# Altium PCB robot.PcbDoc (part 1 of 2)
Units mm, origin at the board's own origin, x right, y up, seen from the top; angles counter-clockwise.
Board outline 83.67 x 95.33 mm, 2 copper layers (Top Layer, Bottom Layer); 190 components, 199 nets, 607 pads, 102 vias.
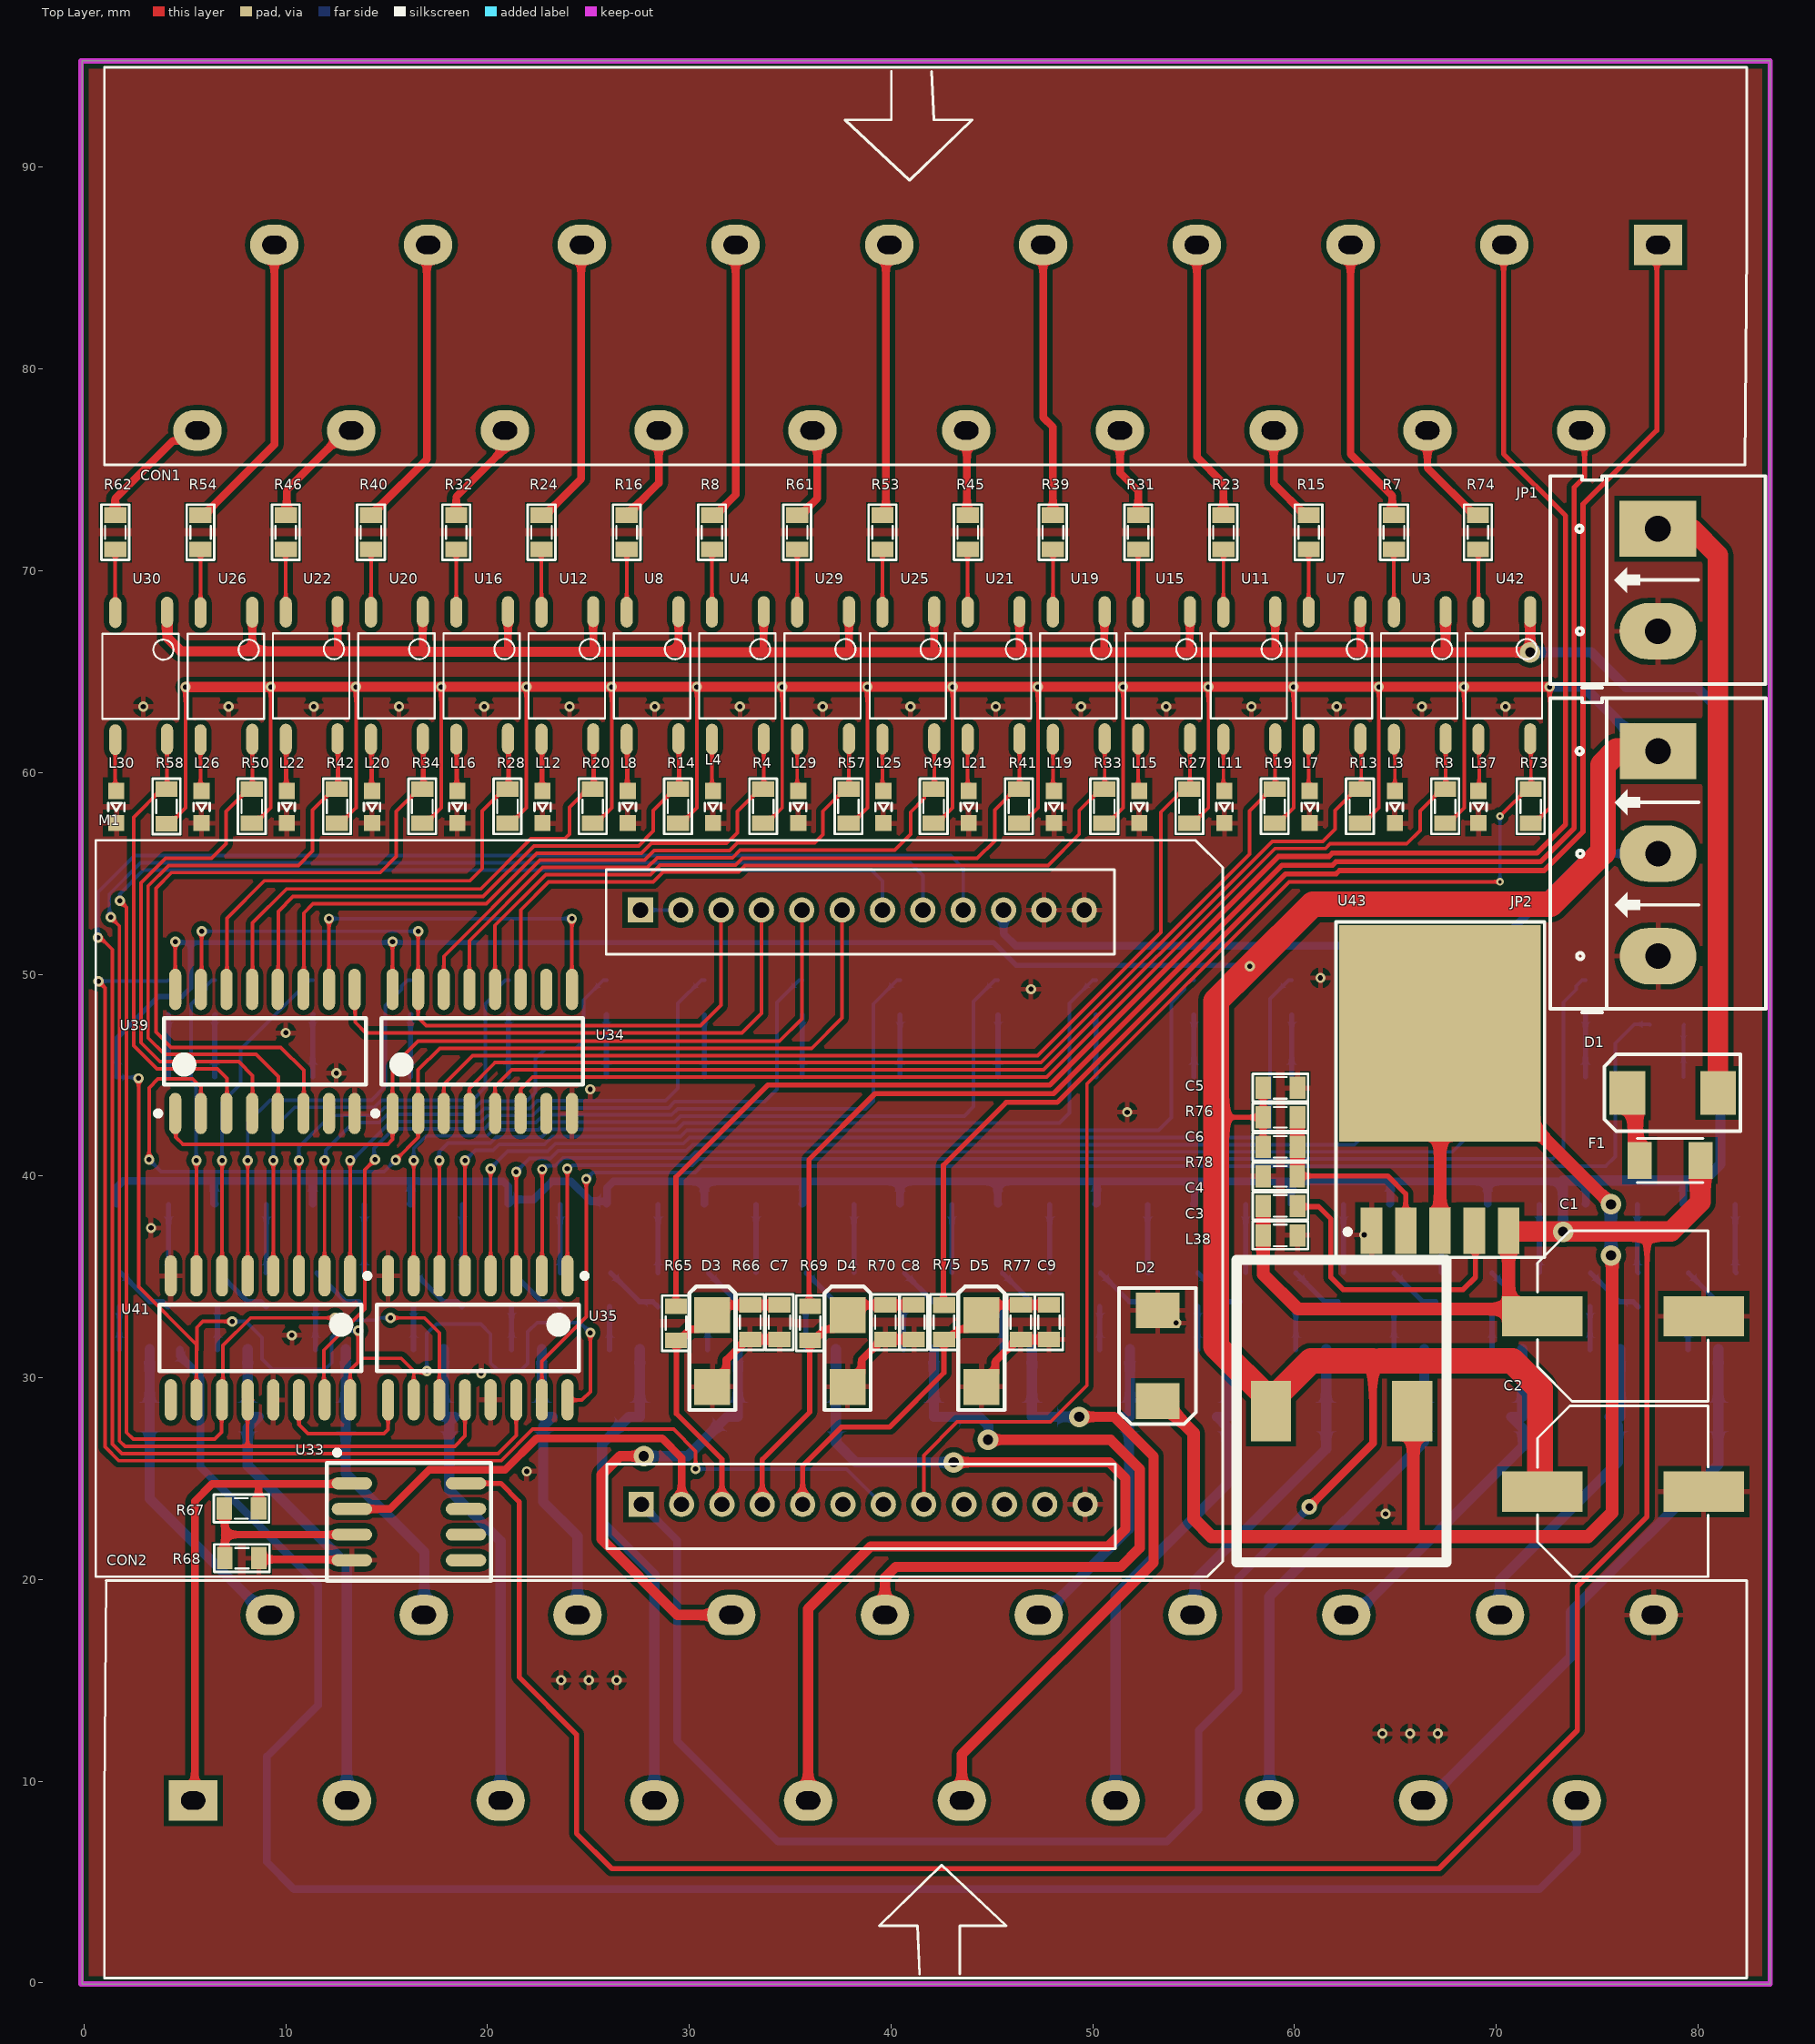
[diagram p0: Top Layer view]
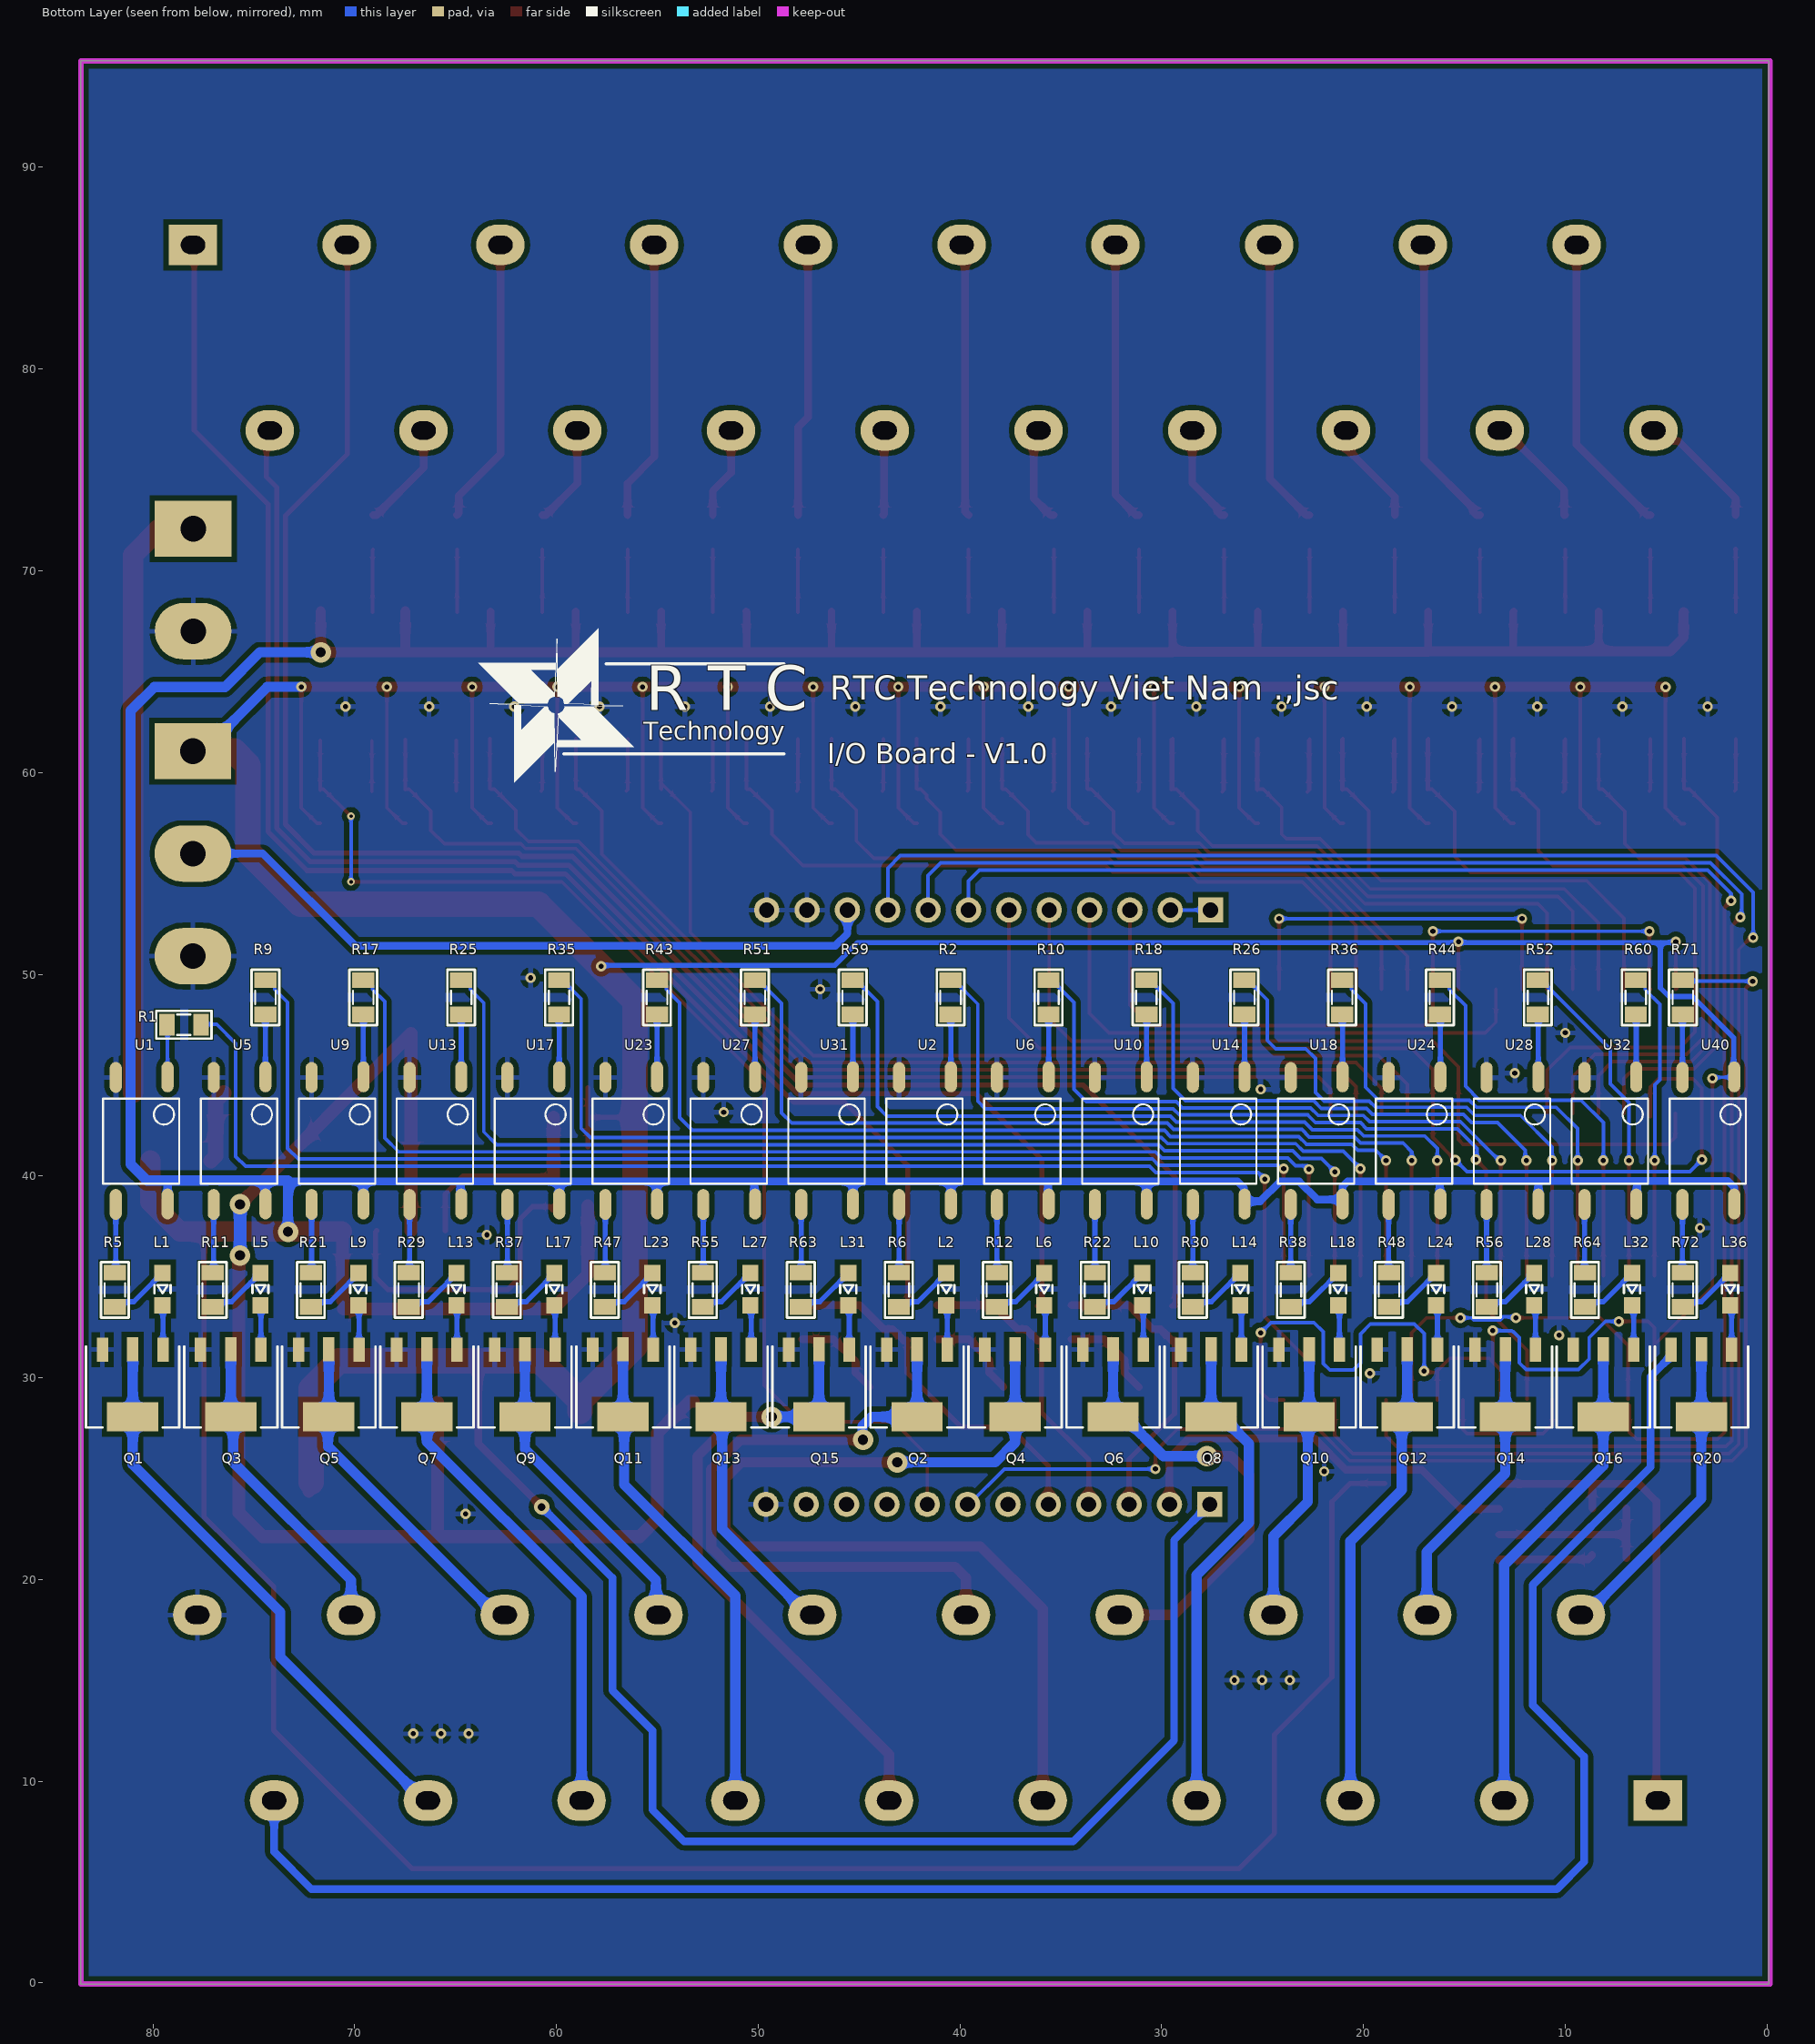
[diagram p1: Bottom Layer view, seen from below]

## Layer stack, top to bottom
Top Solder: solder mask 0.0102, Solder Resist, Dk 3.5
Top Layer: signal copper 0.0356
Dielectric 1: dielectric 0.32, FR-4, Dk 4.8
Bottom Layer: signal copper 0.0356
Bottom Solder: solder mask 0.0102, Solder Resist, Dk 3.5

## Board outline
-0.102,-0.051 -0.102,95.275 83.566,95.275 83.566,-0.051

## Design rules (kind name [scope] priority, off if disabled: settings)
Clearance [All] p1: gap=0.178 ignorepadtopadclearanceinfootprint=FALSE except(0: Arc-Hole Track-Hole SMDPad-Hole THPad-Hole Via-Hole Fill-Hole Poly-Hole Region-Hole Text-Hole; 0.254: Arc-Poly Track-Poly SMDPad-Poly THPad-Poly Via-Poly Fill-Poly Poly-Poly)
PolygonConnect [All] p1: connectstyle=Relief reliefconductorwidth=0.254 reliefentries=4 polygonreliefangle="90 Angle" airgapwidth=0.254
RoutingVias [All] p1: holewidth=0.178 width=0.381 viastyle="Through Hole" minholewidth=0.178 minwidth=0.381 maxholewidth=0.381 maxwidth=1.27
SolderMaskExpansion [All] p1: expansion=0.102 istentingtop=FALSE
Width [All] p1: maxlimit=1.27 minlimit=0.178 preferedwidth=0.254
30 further rules are at their usual default settings.

## Classes and differential pairs
component class Robot_board: C1 C2 C3 C4 C5 C6 C7 C8 C9 CON1 CON2 D1 D2 D3 D4 D5 F1 JP1 JP2 L36 L37 L38 M1 Q20 R65 R66 R67 R68 R69 R70 R71 R72 R73 R74 R75 R76 R77 R78 U33 U34 U35 U39 U40 U41 U42 U43
component class In_Out: L1 L2 L3 L4 L5 L6 L7 L8 L9 L10 L11 L12 L13 L14 L15 L16 L17 L18 L19 L20 L21 L22 L23 L24 L25 L26 L27 L28 L29 L30 L31 L32 Q1 Q2 Q3 Q4 Q5 Q6 Q7 Q8 Q9 Q10 Q11 Q12 Q13 Q14 Q15 Q16 R1 R2 R3 R4 R5 R6 R7 R8 R9 R10 R11 R12 R13 R14 R15 R16 R17 R18 R19 R20 R21 R22 R23 R24 R25 R26 R27 R28 R29 R30 R31 R32 R33 R34 R35 R36 R37 R38 R39 R40 R41 R42 R43 R44 R45 R46 R47 R48 R49 R50 R51 R52 R53 R54 R55 R56 R57 R58 R59 R60 R61 R62 R63 R64 U1 U2 U3 U4 U5 U6 U7 U8 U9 U10 U11 U12 U13 U14 U15 U16 U17 U18 U19 U20 U21 U22 U23 U24 U25 U26 U27 U28 U29 U30 U31 U32

## Components (designator, comment, footprint, x,y, rotation, side; value= is the part's Value field where it differs from the comment)
C1 "220u/50V" CAP_SMD_8X10 76.276,33.045 r0 top
C2 "330u/50V" CAP_SMD_8X10 76.276,24.359 r0 top
C3 "105" CAP_SMD0603 59.267,37.008 r0 top
C4 "105" CAP_SMD0603 59.267,38.471 r0 top
C5 "105" CAP_SMD0603 59.267,44.323 r0 top
C6 "330uF/16V" CAP_SMD0603 59.267,41.397 r0 top
C7 "Cap" CAP_SMD0603 34.519,32.726 r90 top
C8 "Cap" CAP_SMD0603 41.173,32.726 r90 top
C9 "Cap" CAP_SMD0603 47.879,32.726 r90 top
CON1 "Connector 10px2" DG24-2KDS 78.015,86.157 r270 top locked
CON2 "Connector 10px2" DG24-2KDS 5.41,9.042 r90 top locked
D1 "SS54" SMB 78.74,44.12 r180 top
D2 "SS54" SMB 53.213,31.09 r270 top
D3 "3.3V" DIODE_ZENER_SMD 31.14,31.324 r90 top
D4 "3.3V" DIODE_ZENER_SMD 37.846,31.324 r90 top
D5 "3.3V" DIODE_ZENER_SMD 44.475,31.324 r90 top
F1 "24V/5A" 1206 78.613,40.767 r0 top
JP1 "Power" KF-128_2P 78.003,72.085 r270 top
JP2 "Connector 3p" KF-128_3P 78.015,61.062 r270 top
L1 "LED" LED_GREEN_SMD_0603 79.527,34.392 r270 bottom locked
L2 "LED" LED_GREEN_SMD_0603 40.678,34.392 r270 bottom locked
L3 "LED" LED_RED_SMD_0603 64.973,58.293 r270 top
L4 "LED" LED_RED_SMD_0603 31.174,58.293 r270 top
L5 "LED" LED_GREEN_SMD_0603 74.671,34.392 r270 bottom locked
L6 "LED" LED_GREEN_SMD_0603 35.822,34.392 r270 bottom locked
L7 "LED" LED_RED_SMD_0603 60.748,58.293 r270 top
L8 "LED" LED_RED_SMD_0603 26.949,58.293 r270 top
L9 "LED" LED_GREEN_SMD_0603 69.815,34.392 r270 bottom locked
L10 "LED" LED_GREEN_SMD_0603 30.966,34.392 r270 bottom locked
L11 "LED" LED_RED_SMD_0603 56.523,58.293 r270 top
L12 "LED" LED_RED_SMD_0603 22.725,58.293 r270 top
L13 "LED" LED_GREEN_SMD_0603 64.959,34.392 r270 bottom locked
L14 "LED" LED_GREEN_SMD_0603 26.11,34.392 r270 bottom locked
L15 "LED" LED_RED_SMD_0603 52.299,58.293 r270 top
L16 "LED" LED_RED_SMD_0603 18.5,58.293 r270 top
L17 "LED" LED_GREEN_SMD_0603 60.103,34.392 r270 bottom locked
L18 "LED" LED_GREEN_SMD_0603 21.253,34.392 r270 bottom locked
L19 "LED" LED_RED_SMD_0603 48.074,58.293 r270 top
L20 "LED" LED_RED_SMD_0603 14.275,58.293 r270 top
L21 "LED" LED_RED_SMD_0603 43.849,58.293 r270 top
L22 "LED" LED_RED_SMD_0603 10.05,58.293 r270 top
L23 "LED" LED_GREEN_SMD_0603 55.247,34.392 r270 bottom locked
L24 "LED" LED_GREEN_SMD_0603 16.397,34.392 r270 bottom locked
L25 "LED" LED_RED_SMD_0603 39.624,58.293 r270 top
L26 "LED" LED_RED_SMD_0603 5.825,58.293 r270 top
L27 "LED" LED_GREEN_SMD_0603 50.39,34.392 r270 bottom locked
L28 "LED" LED_GREEN_SMD_0603 11.541,34.392 r270 bottom locked
L29 "LED" LED_RED_SMD_0603 35.399,58.293 r270 top
L30 "LED" LED_RED_SMD_0603 1.6,58.293 r270 top
L31 "LED" LED_GREEN_SMD_0603 45.534,34.392 r270 bottom locked
L32 "LED" LED_GREEN_SMD_0603 6.685,34.392 r270 bottom locked
L36 "LED" LED_GREEN_SMD_0603 1.829,34.392 r270 bottom locked
L37 "LED" LED_RED_SMD_0603 69.113,58.293 r270 top
L38 "47uH/6A" INDUCTOR_47UH_6A 62.332,28.346 r180 top
M1 "Robotboard-v1" ROBOTBOARD_V1 27.381,23.824 r0 top locked
Q1 "D882" SOT89 81.128,29.439 r0 bottom locked
Q2 "D882" SOT89 42.253,29.439 r0 bottom locked
Q3 "D882" SOT89 76.268,29.439 r0 bottom locked
Q4 "D882" SOT89 37.394,29.439 r0 bottom locked
Q5 "D882" SOT89 71.409,29.439 r0 bottom locked
Q6 "D882" SOT89 32.534,29.439 r0 bottom locked
Q7 "D882" SOT89 66.55,29.439 r0 bottom locked
Q8 "D882" SOT89 27.675,29.439 r0 bottom locked
Q9 "D882" SOT89 61.69,29.439 r0 bottom locked
Q10 "D882" SOT89 22.816,29.439 r0 bottom locked
Q11 "D882" SOT89 56.831,29.439 r0 bottom locked
Q12 "D882" SOT89 17.956,29.439 r0 bottom locked
Q13 "D882" SOT89 51.972,29.439 r0 bottom locked
Q14 "D882" SOT89 13.097,29.439 r0 bottom locked
Q15 "D882" SOT89 47.112,29.439 r0 bottom locked
Q16 "D882" SOT89 8.238,29.439 r0 bottom locked
Q20 "D882" SOT89 3.378,29.439 r0 bottom locked
R1 "1k" RES_SMD0603 78.486,47.447 r180 bottom
R2 "1k" RES_SMD0603 40.412,48.828 r90 bottom locked
R3 "2k2" RES_SMD0603 67.513,58.303 r90 top
R4 "2k2" RES_SMD0603 33.714,58.303 r90 top
R5 "4K7" RES_SMD0603 81.839,34.331 r90 bottom locked
R6 "4K7" RES_SMD0603 42.977,34.331 r90 bottom locked
R7 "4k7" RES_SMD0603 64.973,71.882 r90 top
R8 "4k7" RES_SMD0603 31.174,71.882 r90 top
R9 "1k" RES_SMD0603 74.371,48.828 r90 bottom locked
R10 "1k" RES_SMD0603 35.56,48.828 r90 bottom locked
R11 "4K7" RES_SMD0603 76.981,34.331 r90 bottom locked
R12 "4K7" RES_SMD0603 38.119,34.331 r90 bottom locked
R13 "2k2" RES_SMD0603 63.288,58.303 r90 top
R14 "2k2" RES_SMD0603 29.489,58.303 r90 top
R15 "4k7" RES_SMD0603 60.748,71.882 r90 top
R16 "4k7" RES_SMD0603 26.949,71.882 r90 top
R17 "1k" RES_SMD0603 69.52,48.828 r90 bottom locked
R18 "1k" RES_SMD0603 30.709,48.828 r90 bottom locked
R19 "2k2" RES_SMD0603 59.063,58.303 r90 top
R20 "2k2" RES_SMD0603 25.265,58.303 r90 top
R21 "4K7" RES_SMD0603 72.123,34.331 r90 bottom locked
R22 "4K7" RES_SMD0603 33.261,34.331 r90 bottom locked
R23 "4k7" RES_SMD0603 56.523,71.882 r90 top
R24 "4k7" RES_SMD0603 22.725,71.882 r90 top
R25 "1k" RES_SMD0603 64.669,48.828 r90 bottom locked
R26 "1k" RES_SMD0603 25.857,48.828 r90 bottom locked
R27 "2k2" RES_SMD0603 54.839,58.303 r90 top
R28 "2k2" RES_SMD0603 21.04,58.303 r90 top
R29 "4K7" RES_SMD0603 67.266,34.331 r90 bottom locked
R30 "4K7" RES_SMD0603 28.404,34.331 r90 bottom locked
R31 "4k7" RES_SMD0603 52.299,71.882 r90 top
R32 "4k7" RES_SMD0603 18.5,71.882 r90 top
R33 "2k2" RES_SMD0603 50.614,58.303 r90 top
R34 "2k2" RES_SMD0603 16.815,58.303 r90 top
R35 "1k" RES_SMD0603 59.817,48.828 r90 bottom locked
R36 "1k" RES_SMD0603 21.006,48.828 r90 bottom locked
R37 "4K7" RES_SMD0603 62.408,34.331 r90 bottom locked
R38 "4K7" RES_SMD0603 23.546,34.331 r90 bottom locked
R39 "4k7" RES_SMD0603 48.074,71.882 r90 top
R40 "4k7" RES_SMD0603 14.275,71.882 r90 top
R41 "2k2" RES_SMD0603 46.389,58.303 r90 top
R42 "2k2" RES_SMD0603 12.59,58.303 r90 top
R43 "1k" RES_SMD0603 54.966,48.828 r90 bottom locked
R44 "1k" RES_SMD0603 16.155,48.828 r90 bottom locked
R45 "4k7" RES_SMD0603 43.849,71.882 r90 top
R46 "4k7" RES_SMD0603 10.05,71.882 r90 top
R47 "4K7" RES_SMD0603 57.55,34.331 r90 bottom locked
R48 "4K7" RES_SMD0603 18.688,34.331 r90 bottom locked
R49 "2k2" RES_SMD0603 42.164,58.303 r90 top
R50 "2k2" RES_SMD0603 8.365,58.303 r90 top
R51 "1k" RES_SMD0603 50.114,48.828 r90 bottom locked
R52 "1k" RES_SMD0603 11.303,48.828 r90 bottom locked
R53 "4k7" RES_SMD0603 39.624,71.882 r90 top
R54 "4k7" RES_SMD0603 5.825,71.882 r90 top
R55 "4K7" RES_SMD0603 52.692,34.331 r90 bottom locked
R56 "4K7" RES_SMD0603 13.83,34.331 r90 bottom locked
R57 "2k2" RES_SMD0603 37.939,58.303 r90 top
R58 "2k2" RES_SMD0603 4.14,58.293 r90 top
R59 "1k" RES_SMD0603 45.263,48.828 r90 bottom locked
R60 "1k" RES_SMD0603 6.452,48.828 r90 bottom locked
R61 "4k7" RES_SMD0603 35.399,71.882 r90 top
R62 "4k7" RES_SMD0603 1.6,71.882 r90 top
R63 "4K7" RES_SMD0603 47.835,34.331 r90 bottom locked
R64 "4K7" RES_SMD0603 8.973,34.331 r90 bottom locked
R65 "0R" RES_SMD0603 29.286,32.726 r270 top
R66 "0R" RES_SMD0603 32.969,32.783 r270 top
R67 "0R" RES_SMD0603 7.772,23.47 r0 top
R68 "0R" RES_SMD0603 7.849,21.107 r180 top
R69 "0R" RES_SMD0603 35.941,32.726 r270 top
R70 "0R" RES_SMD0603 39.675,32.783 r270 top
R71 "1k" RES_SMD0603 4.115,48.828 r90 bottom locked
R72 "4K7" RES_SMD0603 4.115,34.331 r90 bottom locked
R73 "2k2" RES_SMD0603 71.755,58.303 r90 top
R74 "4k7" RES_SMD0603 69.139,71.882 r90 top
R75 "0R" RES_SMD0603 42.57,32.777 r270 top
R76 "10k" RES_SMD0603 59.267,42.86 r0 top
R77 "0R" RES_SMD0603 46.38,32.783 r270 top
R78 "3.3k" RES_SMD0603 59.318,40.035 r180 top
U1 "OPTO" SOP4 80.518,41.707 r270 bottom locked
U2 "OPTO" SOP4 41.694,41.707 r270 bottom locked
U3 "OPTO" SOP4 66.243,64.77 r270 top
U4 "OPTO" SOP4 32.444,64.77 r270 top
U5 "OPTO" SOP4 75.665,41.707 r270 bottom locked
U6 "OPTO" SOP4 36.841,41.707 r270 bottom locked
U7 "OPTO" SOP4 62.018,64.77 r270 top
U8 "OPTO" SOP4 28.219,64.77 r270 top
U9 "OPTO" SOP4 70.812,41.707 r270 bottom locked
U10 "OPTO" SOP4 31.988,41.707 r270 bottom locked
U11 "OPTO" SOP4 57.793,64.77 r270 top
U12 "OPTO" SOP4 23.995,64.77 r270 top
U13 "OPTO" SOP4 65.959,41.707 r270 bottom locked
U14 "OPTO" SOP4 27.135,41.707 r270 bottom locked
U15 "OPTO" SOP4 53.569,64.77 r270 top
U16 "OPTO" SOP4 19.77,64.77 r270 top
U17 "OPTO" SOP4 61.106,41.707 r270 bottom locked
U18 "OPTO" SOP4 22.282,41.707 r270 bottom locked
U19 "OPTO" SOP4 49.344,64.77 r270 top
U20 "OPTO" SOP4 15.545,64.77 r270 top
U21 "OPTO" SOP4 45.119,64.77 r270 top
U22 "OPTO" SOP4 11.32,64.77 r270 top
U23 "OPTO" SOP4 56.253,41.707 r270 bottom locked
U24 "OPTO" SOP4 17.429,41.707 r270 bottom locked
U25 "OPTO" SOP4 40.894,64.77 r270 top
U26 "OPTO" SOP4 7.095,64.745 r270 top
U27 "OPTO" SOP4 51.4,41.707 r270 bottom locked
U28 "OPTO" SOP4 12.576,41.707 r270 bottom locked
U29 "OPTO" SOP4 36.669,64.77 r270 top
U30 "OPTO" SOP4 2.87,64.745 r270 top
U31 "OPTO" SOP4 46.547,41.707 r270 bottom locked
U32 "OPTO" SOP4 7.723,41.707 r270 bottom locked
U33 "LM2904D" "SOIC 8" 16.104,22.86 r0 top
U34 "74HC165" SOIC16 19.736,46.177 r90 top locked
U35 "74HC595" SOIC16 19.516,31.979 r270 top locked
U39 "74HC165" SOIC16 8.966,46.177 r90 top locked
U40 "OPTO" SOP4 2.87,41.707 r270 bottom locked
U41 "74HC595" SOIC16 8.746,31.979 r270 top locked
U42 "OPTO" SOP4 70.434,64.77 r270 top
U43 "XL4015" TO-263-5 67.208,37.084 r0 top

## Footprints (in the part's own frame and the unit in brackets; to place one, negate y for a bottom-side part, rotate by r counter-clockwise, add the part's x,y. Pads: shape width x height; smd on the part's side, far side on the other; paste and mask are expansions set on the pad)
1206 [mm]
  rect 1.2x1.82 smd: 1(-1.505,0) 2(1.505,0)
  silkscreen extent -1.63,-1.09 1.63,1.09, body extent -1.7,-0.9 1.7,0.9, height 1.17
CAP_SMD0603 [mm]
  rect 0.771x1.1 smd: 1(-0.822,0.051) 2(0.879,0.051)
  silkscreen extent -1.35,-0.64 1.4,0.74, body extent -0.85,-0.43 0.9,0.52, height 0.88
CAP_SMD_8X10 [mm]
  rect 4x2 smd: 1(-4,0) 2(4,0)
  silkscreen extent -4.24,-4.22 4.22,4.24, body extent -4.5,-4.15 4.5,4.15, height 6.91
DG24-2KDS [mm]
  rect 2x2.4 hole 1.2 slot 0.9 at 0 deg: 1(0,0)
  oval 2x2.4 hole 1.2 slot 0.9 at 0 deg: 2(9.2,-3.81) 3(0,-7.62) 4(9.2,-11.43) 5(0,-15.24) 6(9.2,-19.05) 7(0,-22.86) 8(9.2,-26.67) 9(0,-30.48) 10(9.2,-34.29) 11(0,-38.1) 12(9.2,-41.91) 13(0,-45.72) 14(9.2,-49.53) 15(0,-53.34) 16(9.2,-57.15) 17(0,-60.96) 18(9.2,-64.77) 19(0,-68.58) 20(9.2,-72.39)
  silkscreen extent -8.8,-77 10.9,4.4, body extent -8.7,-76.82 10.8,4.42, height 22.35
DIODE_ZENER_SMD [mil]
  rect 70x70 smd: 1(-70,0) 2(70,0)
  silkscreen extent -115,-45 126,45, body extent -69,-29 69,29, height 57
INDUCTOR_47UH_6A [mm]
  rect 2x3 smd: 1(-3.5,0) 2(3.5,0)
  silkscreen extent -5.2,-7.5 5.2,7.5
KF-128_2P [mm] "Header 2, 2 pin, hight 300mil, Pin to Pin 200, Colour Green"
  rect 2.794x3.8 hole 1.27: 1(0,0)
  oval 2.794x3.8 hole 1.27: 2(5.08,0)
  silkscreen extent -2.62,-5.33 7.87,5.33, body extent -2.56,-5.25 8.2,5.28, height 14.3
KF-128_3P [mm] "Header 2, 2 pin, hight 300mil, Pin to Pin 200, Colour Green"
  rect 2.794x3.8 hole 1.27: 1(0,0)
  oval 2.794x3.8 hole 1.27: 2(5.08,0) 3(10.16,0)
  silkscreen extent -2.62,-5.33 12.95,5.33, body extent -2.56,-5.25 13.28,5.28, height 14.3
LED_GREEN_SMD_0603 [mm]
  rect 0.8x0.8 smd: 1(-0.8,0) 2(0.8,0)
  silkscreen extent -0.2,-0.4 0.2,0.4, body extent -0.85,-0.45 0.85,0.45, height 0.88
LED_RED_SMD_0603 [mm]
  rect 0.8x0.8 smd: 1(-0.8,0) 2(0.8,0)
  silkscreen extent -0.2,-0.4 0.2,0.4, body extent -0.85,-0.45 0.85,0.45, height 0.88
RES_SMD0603 [mm]
  rect 0.771x1.1 smd: 1(-0.822,0.051) 2(0.879,0.051)
  silkscreen extent -1.35,-0.64 1.4,0.74, body extent -0.8,-0.37 0.84,0.48, height 0.46
ROBOTBOARD_V1 [mm]
  rect 1.25x1.25 hole 0.762: 1(0.236,-0.1) 13(0.194,29.364)
  round 1.25 hole 0.762: 2(2.236,-0.1) 3(4.236,-0.1) 4(6.236,-0.1) 5(8.236,-0.1) 6(10.236,-0.1) 7(12.236,-0.1) 8(14.236,-0.1) 9(16.236,-0.1) 10(18.236,-0.1) 11(20.236,-0.1) 12(22.236,-0.1) 14(2.194,29.364) 15(4.194,29.364) 16(6.194,29.364) 17(8.194,29.364) 18(10.194,29.364) 19(12.194,29.364) 20(14.194,29.364) 21(16.194,29.364) 22(18.194,29.364) 23(20.194,29.364) 24(22.194,29.364)
  silkscreen extent -26.8,-3.68 29.06,32.82, body extent -26.58,-3.7 29.18,32.81, height 19
SMB [mil]
  rect 70x85 smd: 1(-88.58,0) 2(88.58,0)
  silkscreen extent -132,-75 134,75, body extent -108,-77 108,77, height 96
SOIC16 [mm]
  oval 2.05x0.6 smd: 1(-3.075,4.445) 2(-3.075,3.175) 3(-3.075,1.905) 4(-3.075,0.635) 5(-3.075,-0.635) 6(-3.075,-1.905) 7(-3.075,-3.175) 8(-3.075,-4.445) 9(3.075,-4.445) 10(3.075,-3.175) 11(3.075,-1.905) 12(3.075,-0.635) 13(3.075,0.635) 14(3.075,1.905) 15(3.075,3.175) 16(3.075,4.445)
  silkscreen extent -3.2,-5 1.65,5.42, body extent -3,-5 3,5, height 1.75
"SOIC 8" [mm] "SOIC, 8-Leads, Body 4.90x3.90mm, Pitch 1.27mm, IPC Medium Density"
  oval 2x0.6 smd: 1(-2.827,1.905) 2(-2.827,0.635) 3(-2.827,-0.635) 4(-2.827,-1.905) 5(2.827,-1.905) 6(2.827,-0.635) 7(2.827,0.635) 8(2.827,1.905)
  silkscreen extent -4.06,-2.92 4.06,3.55, body extent -3,-2.45 3,2.45, height 1.7
SOP4 [mm] "SOIC, 8-Leads, Body 4.90x3.90mm, Pitch 1.27mm, IPC Medium Density"
  oval 1.53x0.6 smd: 1(-3.208,1.245) 2(-3.183,-1.321) 3(3.117,-1.321) 4(3.091,1.245)
  silkscreen extent -2.13,-1.96 2.08,1.83, body extent -3.53,-1.97 3.48,1.88, height 2.21
SOT89 [mil]
  rect 22.46x47.24 smd: 1(-64,-77) 2(-5,-78) 3(54,-77)
  rect 100x57.24 smd: 2(-5,54.21)
  silkscreen extent -96,-83 86,75, body extent -94,-83 84,72, height 56
TO-263-5 [mm]
  rect 1.07x2.293 smd: 1(-3.4,0.203) 2(-1.7,0.203) 3(0,0.203) 4(1.7,0.203) 5(3.4,0.203)
  rect 10x10.73 smd: 3(0,9.982)
  silkscreen extent -5.16,-1.12 5.18,15.52, body extent -5,-0.38 5,15.29, height 4.79

## Part data
C1 C2: library part Cap_Pol
C3 C4 C5 C6: library part Cap
D1 D2: library part DIODE
D3 D4 D5: library part DIODE_ZENER, "Diode"
F1: library part Fuse
JP1: library part "Connector 2p"
L1 L2 L3 L4 L5 L6 L7 L8 L9 L10 L11 L12 L13 L14 L15 L16 L17 L18 L19 L20 L21 L22 L23 L24 L25 L26 L27 L28 L29 L30 L31 L32 L36 L37: "Lighting Eminter Diode"
L38: library part Inductors
Q1 Q2 Q3 Q4 Q5 Q6 Q7 Q8 Q9 Q10 Q11 Q12 Q13 Q14 Q15 Q16 Q20: library part "Tranzitor NPN"
R1 R2 R3 R4 R5 R6 R7 R8 R9 R10 R11 R12 R13 R14 R15 R16 R17 R18 R19 R20 R21 R22 R23 R24 R25 R26 R27 R28 R29 R30 R31 R32 R33 R34 R35 R36 R37 R38 R39 R40 R41 R42 R43 R44 R45 R46 R47 R48 R49 R50 R51 R52 R53 R54 R55 R56 R57 R58 R59 R60 R61 R62 R63 R64 R65 R66 R67 R68 R69 R70 R71 R72 R73 R74 R75 R76 R77 R78: library part Resistor

## Via types
v1: diameter 0.508, hole 0.254, Top Layer to Bottom Layer, tented both sides, 91 vias
v2: diameter 1.016, hole 0.508, Top Layer to Bottom Layer, tented both sides, 8 vias
v3: diameter 0.381, hole 0.178, Top Layer to Bottom Layer, tented both sides, 2 vias
v4: diameter 0.762, hole 0.381, Top Layer to Bottom Layer, tented both sides, 1 vias

## Nets (pads, with @x,y where several pads share a name; then routed paths per layer and width w, separated by ;. In a path a pad name is that pad's centre, name@x,y a point inside that pad or via, vN(x,y) a via of type N, cw(c..) or ccw(c..) an arc to the next point about the centre after c; other vN are vias at no path point)
+3.3VDC: M1.13 M1.14 | length 2
  Bottom Layer w0.178: M1.13@27.576,53.188 M1.14@29.576,53.188
+5VDC: C2.1 C5.1 C6.1 JP2.1 L38.2 M1.1 R3.1 R4.1 R13.1 R14.1 R19.1 R20.1 R27.1 R28.1 R33.1 R34.1 R41.1 R42.1 R49.1 R50.1 R57.1 R58.1 R73.1 R76.1 U34.16 U35.10 U35.16 U39.16 U40.1 U41.10 U41.16 | length 465
  Top Layer w0.178: v1(2.705,44.844) 2.705,34.506 5.571,31.64 5.571,31.369 ; R58.1@4.09,57.471 4.254,57.471 5.029,58.246 v1(5.029,64.237) ; U39.16@4.47,49.303 U39.16@4.521,49.252 v1(4.521,51.613) ; U41.10@5.571,28.953 5.571,31.369 ; v1(7.341,32.791) 5.893,32.791 5.588,32.487 5.588,31.386 5.571,31.369 ; R50.1@8.314,57.48 8.479,57.48 9.254,58.256 v1(9.254,64.246) ; R42.1@12.539,57.48 12.704,57.48 13.479,58.256 v1(13.479,64.246) ; U41.16@13.191,28.904 13.191,30.387 13.602,30.797 ; v1(13.589,32.334) 13.589,30.81 13.602,30.797 ; U34.16@15.291,49.252 v1(15.291,51.613) ; U35.10@16.341,28.904 16.341,30.184 ; R34.1@16.764,57.48 16.928,57.48 17.704,58.256 v1(17.704,64.246) ; v1(16.993,30.328) 16.929,30.264 16.421,30.264 16.341,30.184 ; R28.1@20.989,57.48 21.153,57.48 21.929,58.256 v1(21.929,64.246) ; U35.16@23.961,28.904 23.961,28.896 24.68,28.896 25.095,29.312 v1(25.095,32.233) ; R20.1@25.214,57.48 25.378,57.48 26.154,58.256 v1(26.154,64.246) ; R14.1@29.439,57.48 29.603,57.48 30.378,58.256 v1(30.378,64.246) ; R4.1@33.664,57.48 33.828,57.48 34.603,58.256 v1(34.603,64.246) ; R57.1@37.889,57.48 38.053,57.48 38.828,58.256 v1(38.828,64.246) ; R49.1@42.113,57.48 42.278,57.48 43.053,58.256 v1(43.053,64.246) ; R41.1@46.338,57.48 46.503,57.48 47.278,58.256 v1(47.278,64.246) ; R33.1@50.563,57.48 50.727,57.48 51.503,58.256 v1(51.503,64.246) ; R27.1@54.788,57.48 54.952,57.48 55.728,58.256 v1(55.728,64.246) ; R19.1@59.013,57.48 59.177,57.48 59.952,58.256 v1(59.952,64.246) ; R13.1@63.238,57.48 63.402,57.48 64.177,58.256 v1(64.177,64.246) ; R3.1@67.463,57.48 67.627,57.48 68.402,58.256 v1(68.402,64.246) ; R73.1@71.704,57.48 71.869,57.48 72.644,58.256 v1(72.644,64.246) ; 13.602,30.797 13.767,30.963 15.723,30.963 16.341,30.344 16.341,30.184
  Top Layer w0.254: 56.109,42.911 R76.1@58.445,42.911 ; C6.1@58.445,41.448 R76.1@58.445,42.911 ; C5.1@58.445,44.374 R76.1@58.445,42.911
  Top Layer w0.381: v4(60.731,23.597) 63.881,26.746 63.881,30.836
  Top Layer w0.508: v1(5.029,64.237) 9.244,64.237 v1(9.254,64.246) v1(13.479,64.246) v1(17.704,64.246) v1(21.929,64.246) v1(26.154,64.246) v1(30.378,64.246) v1(34.603,64.246) v1(38.828,64.246) v1(43.053,64.246) v1(47.278,64.246) v1(51.503,64.246) v1(55.728,64.246) v1(59.952,64.246) v1(64.177,64.246) v1(68.402,64.246) v1(72.644,64.246)
  Top Layer w0.635: C2.1@72.161,24.473 C2.1@72.276,24.359
  Top Layer w1.27: L38.2@58.832,28.346 L38.2@58.832,28.846 ; 63.881,30.836 60.821,30.836 L38.2@58.832,28.846 ; 64.237,30.836 70.79,30.836 72.161,29.464 C2.1@72.161,24.829 ; JP2.1@78.015,61.062 75.971,61.062 75.286,60.376 75.286,56.058 72.695,53.467 60.896,53.467 57.804,50.375 56.109,48.679 56.109,42.911 56.109,31.569 L38.2@58.832,28.846
  Bottom Layer w0.178: U40.1@1.626,44.915 1.646,44.895 v1@2.705,44.895 ; v1(4.521,51.613) v1@4.559,51.575 ; v1(7.341,32.791) 8.001,32.791 8.814,31.979 8.814,30.927 9.337,30.404 11.935,30.404 12.268,30.737 12.268,31.981 12.574,32.287 12.602,32.287 12.649,32.334 v1(13.589,32.334) ; v1@15.253,51.575 v1(15.291,51.613) v1@15.329,51.575 ; v1(16.993,30.328) 16.993,32.182 17.475,32.664 19.66,32.664 20.151,32.173 20.151,30.725 20.498,30.378 21.666,30.378 21.996,30.709 21.996,32.283 22.454,32.741 24.587,32.741 v1(25.095,32.233)
  Bottom Layer w0.254: U40.1@1.626,44.915 1.651,44.94 1.651,46.858 3.688,48.895 4.851,48.895 5.283,49.327 5.283,51.575 ; v1@4.559,51.575 5.283,51.575 ; v1@15.253,51.575 5.283,51.575 ; v1@15.329,51.575 45.072,51.575 46.203,50.444 v1@57.785,50.444
  Bottom Layer w0.381: M1.1@27.617,23.724 29.388,21.953 29.388,12.014 34.392,7.01 53.67,7.01 55.245,8.585 55.245,12.522 57.226,14.503 57.226,20.091 v4(60.731,23.597)
  Bottom Layer w0.508: v1(72.644,64.246) 74.328,64.246 77.512,61.062 JP2.1@78.015,61.062
  other v1: 57.785,50.394
+24-1VDC: D1.1 JP1.1 | length 30.2
  Top Layer w1.016: JP1.1@78.003,72.085 79.68,72.085 80.99,70.775 D1.1@80.99,44.12
+24VDC: C1.1 C3.1 C4.1 F1.2 U1.4 U2.4 U3.1 U4.1 U5.4 U6.4 U7.1 U8.1 U9.4 U10.4 U11.1 U12.1 U13.4 U14.4 U15.1 U16.1 U17.4 U18.4 U19.1 U20.1 U21.1 U22.1 U23.4 U24.4 U25.1 U26.1 U27.4 U28.4 U29.1 U30.1 U31.4 U32.4 U33.8 U40.4 U42.1 U43.5 | length 368.4
  Top Layer w0.254: U33.8@18.931,24.765 20.65,24.765 21.565,23.851 21.565,15.164 24.409,12.319 24.409,7.417 26.162,5.664 67.158,5.664 74.016,12.522 74.016,19.66 77.47,23.114 77.47,37.262
  Top Layer w0.381: 8.34,66.015 U26.1@8.34,67.953 U26.1@8.34,67.978 ; U22.1@12.565,67.978 12.573,67.97 12.573,66.04 ; 16.789,66.015 U20.1@16.789,67.978 ; 21.014,65.989 U16.1@21.014,67.978 ; 25.061,65.989 25.239,66.167 U12.1@25.239,67.978 ; 29.464,65.989 U8.1@29.464,67.978 ; 33.689,66.142 U4.1@33.689,67.978 ; 37.914,65.964 U29.1@37.914,67.978 ; 42.139,65.964 U25.1@42.139,67.978 ; 46.363,65.964 U21.1@46.363,67.978 ; 50.571,65.989 50.571,67.961 U19.1@50.588,67.978 ; 54.813,65.964 U15.1@54.813,67.978 ; 59.038,66.015 U11.1@59.038,67.978 ; 63.263,65.989 U7.1@63.263,67.978
  Top Layer w0.508: U30.1@4.115,67.953 4.132,67.935 4.132,66.683 4.801,66.015 8.34,66.015 12.548,66.015 ; 12.573,66.04 12.548,66.015 ; 50.571,65.989 50.546,65.964 ; 59.038,66.015 58.987,65.964 ; 63.263,65.989 63.238,65.964 ; U3.1@67.488,67.978 67.488,65.989 67.462,65.964 ; v2@71.679,65.938 v2(71.679,65.964) ; U42.1@71.679,67.978 v2(71.679,65.964) ; 12.548,66.015 16.789,66.015 16.815,65.989 21.014,65.989 25.061,65.989 29.464,65.989 29.489,65.964 37.914,65.964 42.139,65.964 46.363,65.964 50.546,65.964 ; 50.546,65.964 54.813,65.964 58.987,65.964 ; 58.987,65.964 63.238,65.964 ; 63.238,65.964 67.462,65.964 ; 67.462,65.964 v2(71.679,65.964)
  Top Layer w0.635: C4.1@58.445,38.521 C3.1@58.445,37.058 58.445,35.128 60.172,33.401 68.736,33.401 ; 68.749,33.401 C1.1@70.561,33.401 ; C1.1@70.608,33.833 U43.5@70.608,37.287 U43.5@70.634,37.262
  Top Layer w1.016: U43.5@70.634,37.262 77.47,37.262 78.664,37.262 80.118,38.716 F1.2@80.118,40.767
  Bottom Layer w0.381: U40.4@1.626,38.616 1.626,39.446 1.93,39.751 6.426,39.751 ; U32.4@6.479,38.616 6.437,38.658 6.437,39.741 6.426,39.751 ; U28.4@11.332,38.616 11.332,39.653 11.43,39.751 ; U24.4@16.185,38.616 16.226,38.658 16.226,39.747 16.231,39.751 ; U10.4@30.744,38.616 30.744,39.724 ; U6.4@35.597,38.616 35.638,38.658 35.638,39.624 35.738,39.724 ; U2.4@40.45,38.616 40.45,39.724 ; U31.4@45.302,38.616 45.288,38.63 45.288,39.724 ; U27.4@50.155,38.616 50.197,38.658 50.197,39.705 50.216,39.724 ; U23.4@55.008,38.616 55.042,38.649 55.042,39.724 ; U17.4@59.861,38.616 59.842,38.635 59.842,39.724 ; U13.4@64.714,38.616 64.756,38.658 64.756,39.71 64.77,39.724 ; U9.4@69.567,38.616 69.567,39.724 ; 73.304,39.724 69.567,39.724 ; U5.4@74.42,38.616 74.447,38.643 74.447,39.776 ; 78.996,39.724 79.273,39.724 U1.4@79.273,38.616 ; 6.426,39.751 11.43,39.751 ; 11.43,39.751 16.231,39.751 ; 16.231,39.751 16.567,39.751 16.58,39.738 20.776,39.738 21.038,39.477 U18.4@21.038,38.616 21.259,38.837 22.292,38.837 23.179,39.724 24.141,39.724 25.12,38.744 25.891,38.744 U14.4@25.891,38.616 25.932,38.658 25.932,39.423 26.233,39.724 30.744,39.724 ; 30.744,39.724 35.738,39.724 ; 35.738,39.724 40.45,39.724 ; 40.45,39.724 45.288,39.724 ; 45.288,39.724 50.216,39.724 ; 50.216,39.724 55.042,39.724 ; 55.042,39.724 59.842,39.724 ; 59.842,39.724 64.77,39.724 ; 64.77,39.724 69.567,39.724
  Bottom Layer w0.508: v2(71.679,65.964) 74.701,65.964 76.429,64.237 79.934,64.237 81.102,63.068 81.102,40.589 80.289,39.776 77.3,39.776 77.289,39.787 76.683,39.787 76.672,39.776 74.447,39.776 73.304,39.776 73.304,39.724 v2(73.304,37.236)
GND: C1.2 C2.2 C3.2 C5.2 C7.1 C8.1 C9.1 CON2.20 D2.1 D3.1 D4.1 D5.1 JP1.2 JP2.3 L3.2 L4.2 L7.2 L8.2 L11.2 L12.2 L15.2 L16.2 L19.2 L20.2 L21.2 L22.2 L25.2 L26.2 L29.2 L30.2 L37.2 M1.12 M1.23 M1.24 Q1.3 Q2.3 Q3.3 Q4.3 Q5.3 Q6.3 Q7.3 Q8.3 Q9.3 Q10.3 Q11.3 Q12.3 Q13.3 Q14.3 Q15.3 Q16.3 R66.2 R68.1 R70.2 R77.2 R78.2 U1.2 U2.2 U5.2 U6.2 U9.2 U10.2 U13.2 U14.2 U17.2 U18.2 U23.2 U24.2 U27.2 U28.2 U31.2 U32.2 U33.4 U34.8 U35.8 U35.13 U39.8 U41.8 U41.13 U43.1 | length 18.7
  Top Layer w0.381: R68.1@8.671,21.235 8.671,21.192 8.866,20.997 13.235,20.997 U33.4@13.277,20.955 ; D3.1@31.14,29.546 31.839,30.245 31.839,30.887 32.856,31.904 R66.2@33.02,31.904 C7.1@34.468,31.904 ; D4.1@37.846,29.546 38.544,30.245 38.544,30.887 39.561,31.904 R70.2@39.725,31.904 C8.1@41.123,31.904 ; D5.1@44.475,29.546 45.174,30.245 45.174,30.811 46.267,31.904 R77.2@46.431,31.904 C9.1@47.828,31.904
  other v1: 64.351,12.357 65.725,12.357 67.098,12.357 23.645,15.011 25.019,15.011 26.393,15.011 64.508,23.254 21.946,25.362 19.685,30.222 10.304,32.106 54.127,32.715 63.449,37.084 3.319,37.427 51.706,43.167 25.093,44.297 12.503,45.098 9.999,47.098 46.931,49.263 61.282,49.822 2.938,63.271 7.163,63.271 11.388,63.271 15.613,63.271 19.837,63.271 24.062,63.271 24.062,63.271 28.287,63.271 32.512,63.271 36.61,63.271 40.962,63.271 45.187,63.271 49.411,63.271 53.636,63.271 57.861,63.271 62.086,63.271 66.311,63.271 70.451,63.271
NetC4_2: C4.2 U43.4 | length 15.1
  Top Layer w0.254: C4.2@60.146,38.521 60.187,38.481 60.187,38.317 60.351,38.481 61.189,38.481 61.798,37.871 61.798,34.976 62.408,34.366 68.351,34.366 68.961,34.976 68.961,37.235 U43.4@68.908,37.287
NetC6_2: C6.2 R76.2 R78.1 U43.2 | length 10.7
  Top Layer w0.254: R78.1@60.14,39.985 60.14,39.821 60.324,40.005 64.618,40.005 65.508,39.114 U43.2@65.508,37.287
  Top Layer w0.635: R78.1@60.14,39.985 60.143,39.988 60.143,42.907 R76.2@60.146,42.911
NetC7_2: C7.2 D3.2 M1.3 R65.2 R66.1 | length 15.2
  Top Layer w0.254: R65.2@29.337,31.846 29.362,31.821 29.527,31.821 29.362,31.657 29.362,28.219 31.617,25.964 M1.3@31.617,23.724
  Top Layer w0.381: R65.2@29.337,31.846 29.501,31.846 30.058,32.404 30.442,32.404 D3.2@31.14,33.102 31.644,33.605 R66.1@33.02,33.605 C7.2@34.468,33.605
NetC8_2: C8.2 D4.2 M1.4 R69.2 R70.1 | length 15.4
  Top Layer w0.254: M1.4@33.617,23.724 33.617,25.947 35.966,28.296 35.966,31.588 35.662,31.588 35.895,31.821 35.966,31.821 R69.2@35.992,31.846
  Top Layer w0.381: R69.2@35.992,31.846 36.156,31.846 36.713,32.404 37.148,32.404 D4.2@37.846,33.102 38.349,33.605 R70.1@39.725,33.605 C8.2@41.123,33.605
NetC9_2: C9.2 D5.2 M1.5 R75.2 R77.1 | length 18.4
  Top Layer w0.254: M1.5@35.617,23.724 35.617,25.635 37.541,27.559 39.935,27.559 42.621,30.245 R75.2@42.621,31.846
  Top Layer w0.381: R75.2@42.621,31.846 42.785,31.846 43.343,32.404 43.777,32.404 D5.2@44.475,33.102 44.979,33.605 R77.1@46.431,33.605 C9.2@47.828,33.605
NetCON1_1: CON1.1 R75.1 | length 76.3
  Top Layer w0.254: R75.1@42.621,33.548 R75.1@42.785,33.548 ; R75.1@42.703,33.63 42.596,33.738 42.596,40.538 45.707,43.65 48.232,43.65 59.56,54.978 62.06,54.978 62.225,55.143 72.367,55.143 74.295,57.072 74.295,73.304 77.953,76.962 77.953,86.094 CON1.1@78.015,86.157
NetCON1_2: CON1.2 R69.1 | length 72.1
  Top Layer w0.254: R69.1@35.992,33.548 R69.1@36.156,33.548 ; R69.1@36.074,33.63 35.941,33.763 35.941,40.818 39.205,44.082 48.053,44.082 59.382,55.41 61.881,55.41 62.046,55.575 72.188,55.575 73.863,57.251 73.863,74.143 74.371,74.651 74.371,76.791 CON1.2@74.205,76.957
NetCON1_3: CON1.3 R65.1 | length 88
  Top Layer w0.254: R65.1@29.337,33.548 29.501,33.548 29.337,33.712 29.337,39.954 33.896,44.514 47.874,44.514 59.203,55.842 61.702,55.842 61.867,56.007 72.009,56.007 73.431,57.429 73.431,72.72 70.358,75.794 70.358,86.12 CON1.3@70.395,86.157
NetCON1_4: CON1.4 R74.2 | length 5.3
  Top Layer w0.381: CON1.4@66.585,76.957 66.585,75.1 68.924,72.761 R74.2@69.088,72.761
NetCON1_5: CON1.5 R7.2 | length 14.3
  Top Layer w0.381: CON1.5@62.775,86.157 62.775,75.782 64.838,73.719 64.838,72.846 R7.2@64.923,72.761
NetCON1_6: CON1.6 R15.2 | length 5
  Top Layer w0.381: CON1.6@58.965,76.957 58.965,74.33 60.533,72.761 R15.2@60.698,72.761
NetCON1_7: CON1.7 R23.2 | length 13.9
  Top Layer w0.381: CON1.7@55.155,86.157 55.155,75.655 56.473,74.337 R23.2@56.473,72.761
NetCON1_8: CON1.8 R31.2 | length 4.6
  Top Layer w0.381: CON1.8@51.345,76.957 51.345,74.867 52.248,73.965 R31.2@52.248,72.761
NetCON1_9: CON1.9 R39.2 | length 13.6
  Top Layer w0.381: CON1.9@47.535,86.157 47.535,77.612 48.023,77.124 R39.2@48.023,72.761
NetCON1_10: CON1.10 R45.2 | length 4.2
  Top Layer w0.381: CON1.10@43.725,76.957 43.762,76.92 43.762,72.798 R45.2@43.798,72.761
NetCON1_11: CON1.11 R53.2 | length 13.5
  Top Layer w0.381: R53.2@39.573,72.761 39.744,72.932 39.744,85.986 CON1.11@39.915,86.157
NetCON1_12: CON1.12 R61.2 | length 4.8
  Top Layer w0.381: R61.2@35.349,72.761 35.513,72.761 36.347,73.596 36.347,76.715 CON1.12@36.105,76.957
NetCON1_13: CON1.13 R8.2 | length 14
  Top Layer w0.381: R8.2@31.124,72.761 31.288,72.761 32.295,73.769 CON1.13@32.295,86.157
NetCON1_14: CON1.14 R16.2 | length 4.9
  Top Layer w0.381: R16.2@26.899,72.761 27.063,72.761 27.258,72.957 27.258,73.121 28.485,74.348 CON1.14@28.485,76.957
NetCON1_15: CON1.15 R24.2 | length 14.3
  Top Layer w0.381: R24.2@22.674,72.761 22.838,72.761 24.638,74.561 24.638,86.12 CON1.15@24.675,86.157
NetCON1_16: CON1.16 R32.2 | length 5.2
  Top Layer w0.381: R32.2@18.449,72.761 18.449,73.669 20.865,76.085 CON1.16@20.865,76.957
NetCON1_17: CON1.17 R40.2 | length 14.7
  Top Layer w0.381: R40.2@14.224,72.761 14.388,72.761 14.584,72.957 14.584,73.121 16.993,75.53 16.993,86.094 CON1.17@17.055,86.157
NetCON1_18: CON1.18 R46.2 | length 5.7
  Top Layer w0.381: R46.2@9.999,72.761 10.05,72.761 10.05,74.007 13,76.957 CON1.18@13.245,76.957
NetCON1_19: CON1.19 R54.2 | length 15
  Top Layer w0.381: R54.2@5.774,72.761 5.939,72.761 9.435,76.258 CON1.19@9.435,86.157
NetCON1_20: CON1.20 R62.2 | length 6.3
  Top Layer w0.381: R62.2@1.55,72.761 1.55,73.584 4.413,76.447 5.115,76.447 CON1.20@5.625,76.957
NetCON2_1: CON2.1 R67.2 U33.1 | length 24.3
  Top Layer w0.381: CON2.1@5.41,9.042 5.486,9.119 5.486,23.876 6.35,24.74 8.687,24.74 ; R67.2@8.652,23.52 8.652,24.705 8.687,24.74 ; U33.1@13.277,24.765 13.251,24.74 8.687,24.74
NetCON2_2: CON2.2 Q20.2 | length 15.8
  Bottom Layer w0.508: Q20.2@3.251,31.42 Q20.2@3.251,28.062 3.251,24.011 9.02,18.242 CON2.2@9.22,18.242
NetCON2_3: CON2.3 Q16.2 | length 25.2
  Bottom Layer w0.508: Q16.2@8.111,31.42 Q16.2@8.111,28.062 8.654,28.062 8.111,27.519 8.111,25.646 13.03,20.726 CON2.3@13.03,9.042
NetCON2_4: CON2.4 Q14.2 | length 14.8
  Bottom Layer w0.508: Q14.2@12.97,31.42 Q14.2@12.97,28.062 12.97,25.257 16.866,21.361 16.866,18.268 CON2.4@16.84,18.242
NetCON2_5: CON2.5 Q12.2 | length 24.1
  Bottom Layer w0.508: Q12.2@17.829,31.42 Q12.2@17.829,28.062 18.372,28.062 18.101,27.79 18.101,26.117 18.101,24.444 20.65,21.894 CON2.5@20.65,9.042
NetCON2_6: CON2.6 Q10.2 | length 14.6
  Bottom Layer w0.508: Q10.2@22.689,31.42 Q10.2@22.689,28.062 23.232,28.062 22.758,27.588 22.758,23.851 24.46,22.149 CON2.6@24.46,18.242
NetCON2_7: CON2.7 Q8.2 | length 24.5
  Bottom Layer w0.508: Q8.2@27.548,31.42 Q8.2@27.548,28.062 27.005,28.062 25.679,26.736 25.679,22.809 28.27,20.218 CON2.7@28.27,9.042
NetCON2_8: CON2.8 Q6.2 | length 22.5
  Top Layer w0.508: v2(27.742,26.117) 26.574,26.117 25.654,25.197 25.654,21.996 29.408,18.242 CON2.8@32.08,18.242
  Bottom Layer w0.508: v2(27.742,26.117) 29.919,26.117 31.864,28.062 Q6.2@32.407,28.062 Q6.2@32.407,31.42